# Altium PCB Sayma_AMC_RFSoC.PcbDoc (part 7 of 11)
Units mm, origin at the board's own origin, x right, y up, seen from the top; angles counter-clockwise.
Board outline 180.55 x 148.45 mm, 18 copper layers (Layer 1, Layer 2, Layer 3, Layer 4, Layer 5, Layer 6, Layer 7, Layer 8, Layer 9, Layer 10, Layer 11, Layer 12, Layer 13, Layer 14, Layer 15, Layer 16, Layer 17, Layer 18), stack 4.915 mm thick; 790 components, 796 nets, 6854 pads, 16 vias.
Unrouted connection lines stored in the file: 2880.
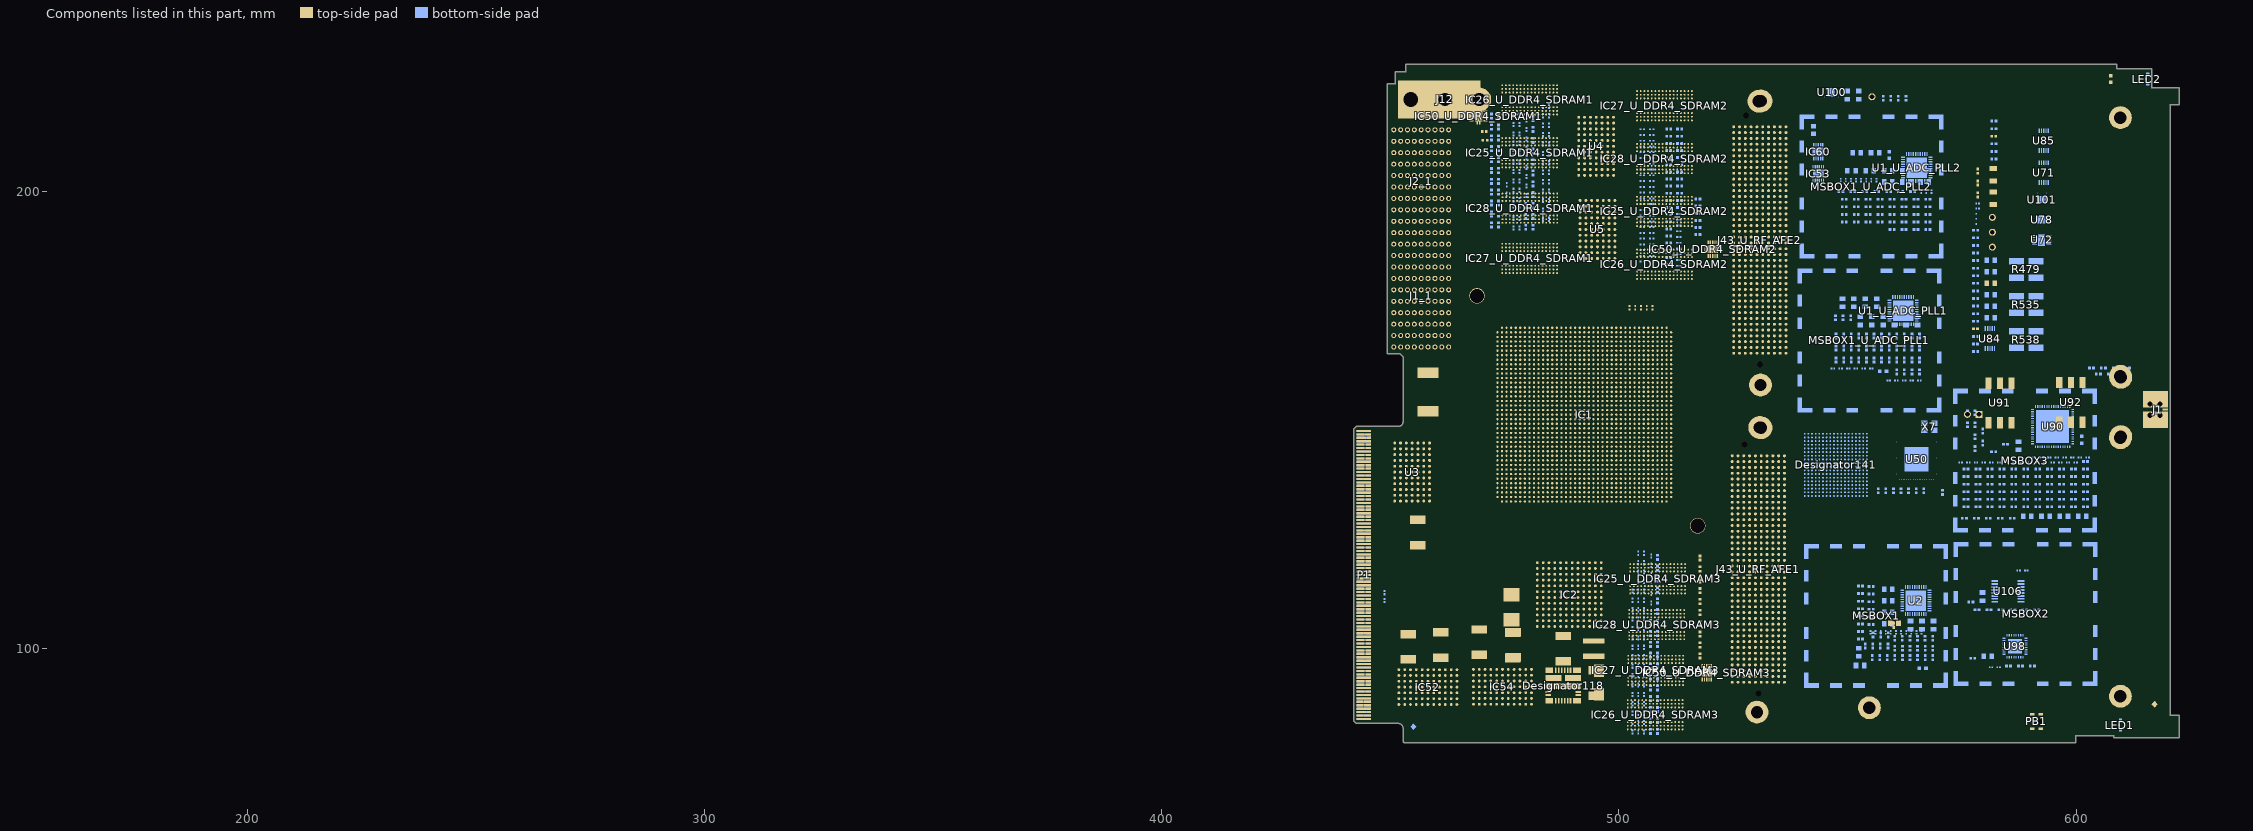
[diagram p18: the components of this part, seen from the top]

## Polygon pours and split planes (outlines as drawn) (continued)
no net on Layer 18 "Layer 10-P6V0_LDO_IN2" (solid, shelved, pour order 116): 462.168,96.617 462.168,99.017 459.068,99.017 459.068,103.617 463.968,103.717 463.968,96.617
no net on Layer 18 "Layer 10-IOVDD" (solid, shelved, pour order 115): 213.1,99.18 221.85,99.18 221.85,102.23 213.1,102.23
P12V0A on Layer 18 "Layer 10-P12V0A 1" (solid, shelved, pour order 114): 509.035,114.755 507.285,114.755 507.285,115.255 501.535,115.255 501.535,119.755 505.285,119.755 505.285,117.505 509.035,117.505
no net on Layer 18 "Layer 10-VTT_10" (solid, shelved, pour order 113): 576.598,108.964 576.598,112.214 577.598,112.214 577.848,112.464 577.848,120.964 576.598,120.964 576.598,122.964 579.598,122.964 579.598,118.964 578.598,118.964 578.598,112.964 579.848,112.964 579.848,108.964
no net on Layer 18 "Layer 10-VTT" (solid, shelved, pour order 112): 206.85,123.43 206.85,120.18 205.85,120.18 205.6,119.93 205.6,111.43 206.85,111.43 206.85,109.43 203.85,109.43 203.85,113.43 204.85,113.43 204.85,119.43 203.6,119.43 203.6,123.43
no net on Layer 18 "Layer 10-XR77129ILB_F_VOUT1" (solid, shelved, pour order 109): 279.1,216.68 279.1,219.93 282.1,219.93 282.1,218.93 289.1,218.93 289.1,216.68
no net on Layer 18 "Layer 10-P4V0 8" (solid, shelved, pour order 107): 556.398,210.303 561.398,210.303 561.398,203.553 560.148,203.553 560.148,206.553 555.648,206.553 555.648,209.553
no net on Layer 18 "Layer 10-PSS_XRP_LX2" (solid, shelved, pour order 106): 509.085,105.955 509.19,111.355 513.085,111.355 513.085,105.155 509.085,105.255
no net on Layer 18 "Layer 10-P12V0AFEM_7" (solid, shelved, pour order 103): 268.6,169.18 268.6,164.68 258.1,164.68 258.1,165.93 265.35,165.93 265.35,169.18
N6V0A on Layer 18 "Layer 10-N6V0A 1" (solid, shelved, pour order 102): 314.35,141.18 319.6,141.18 319.6,145.68 314.35,145.68
no net on Layer 18 "Layer 10-ADC_DVDD" (solid, shelved, pour order 101): 232.3,86.63 235.3,86.63 235.3,88.13 239.3,88.13 239.3,84.88 236.05,84.88 236.05,83.63 232.3,83.63
no net on Layer 18 "Layer 10-CVDD12_10" (solid, shelved, pour order 100): 191.6,206.18 191.6,206.93 194.85,206.93 194.85,202.93 188.6,202.93 188.6,206.18
P3V3 on Layer 18 "Layer 10-P3V3 1" (solid, shelved, pour order 99): 265.1,146.68 265.1,145.43 267.85,145.43 267.85,148.68 258.35,148.68 258.35,146.68
QSPI2_DQ3 on Layer 18 "Layer 10-GND 4" (solid, shelved, pour order 96): 548.737,194.184 551.987,194.184 551.987,200.934 548.737,200.934
no net on Layer 18 "Layer 10-CVDD12" (solid, shelved, pour order 95): 200.01,112.476 205.51,112.476 205.51,107.726 203.01,107.726 203.01,109.226 200.01,109.226
P3V3MP on Layer 18 "Layer 10-P3V3MP 3" (solid, shelved, pour order 93): 548.025,173.607 550.525,173.607 550.525,164.357 551.025,164.357 551.025,163.107 546.525,163.107 546.525,164.357 549.525,164.357 549.525,169.357 548.025,169.357
no net on Layer 18 "Layer 10-P3V3_CLKDIS5_1" (solid, shelved, pour order 91): 566.275,177.607 566.275,174.857 561.025,174.857 561.025,175.857 558.025,175.857 558.025,178.107 561.025,178.107 561.025,177.607
P12V0 on Layer 18 "Layer 10-P12V0 1" (solid, shelved, pour order 88): 508.285,103.505 508.285,107.005 502.285,107.005 502.285,103.505
no net on Layer 18 "Layer 10-XR77129ILB_F_VOUT3" (solid, shelved, pour order 87): 297.6,201.68 297.6,197.43 299.6,197.43 299.6,195.18 295.1,195.18 295.1,201.68
no net on Layer 18 "Layer 10-P4V0 9" (solid, shelved, pour order 86): 553.898,202.303 553.898,205.553 549.648,205.553 549.648,208.553 555.148,208.553 555.148,202.303
no net on Layer 18 "Layer 10-P4V0_LDO_IN6" (solid, shelved, pour order 85): 288.35,139.68 289.6,139.68 289.6,141.43 293.1,141.43 293.1,135.43 290.35,135.43 290.35,138.43 288.35,138.43
QSPI2_DQ3 on Layer 18 "Layer 10-GND 5" (solid, shelved, pour order 84): 550.237,208.184 552.237,208.184 553.487,206.934 553.487,201.434 550.487,201.434 550.487,204.934 550.237,204.934
no net on Layer 18 "Layer 10-N6V0AFEM" (solid, shelved, pour order 83): 270.85,138.18 270.85,133.43 270.6,133.18 265.6,133.18 265.6,133.93 266.35,133.93 266.35,135.43 267.35,135.43 267.35,138.18
no net on Layer 18 "Layer 10-N6V0AFEM_2" (solid, shelved, pour order 82): 270.6,105.18 270.6,100.43 270.35,100.18 265.35,100.18 265.35,100.93 266.1,100.93 266.1,102.43 267.1,102.43 267.1,105.18
no net on Layer 18 "Layer 10-N6V0AFEM_6" (solid, shelved, pour order 81): 513.842,81.293 513.842,84.505 507.535,84.505 507.535,81.293
QSPI2_DQ3 on Layer 18 "Layer 10-GND 6" (solid, shelved, pour order 78): 282.35,219.18 289.1,219.18 289.1,216.93 291.1,216.93 291.1,220.93 282.35,220.93
P12V0A on Layer 18 "Layer 10-P12V0A 2" (solid, shelved, pour order 77): 302.1,161.18 307.35,161.18 307.35,164.93 302.1,164.93
P12V0 on Layer 18 "Layer 10-P12V0 2" (solid, shelved, pour order 76): 288.35,200.93 289.85,200.93 289.85,197.43 294.1,197.43 294.1,194.93 288.35,194.93
no net on Layer 18 "Layer 10-P5V0_CLK" (solid, shelved, pour order 75): 457.468,98.717 457.468,93.717 461.368,93.717 461.368,98.717
no net on Layer 18 "Layer 10-ADC_1V8_LDO2_11" (solid, shelved, pour order 74): 550.769,164.666 550.769,168.666 558.019,168.666 558.019,166.416 552.519,166.416 552.519,164.666
no net on Layer 18 "Layer 10-N12V0AFEM" (solid, shelved, pour order 73): 265.6,131.68 267.85,129.18 267.85,128.18 270.85,128.18 270.85,132.93 267.1,132.93 266.1,132.18 265.6,132.18
no net on Layer 18 "Layer 10-N12V0AFEM_2" (solid, shelved, pour order 72): 265.35,98.68 267.6,96.18 267.6,95.18 270.6,95.18 270.6,99.93 266.85,99.93 265.85,99.18 265.35,99.18
no net on Layer 18 "Layer 10-AVDD33" (solid, shelved, pour order 67): 196.6,135.18 196.6,137.18 199.6,137.18 199.6,133.68 196.35,133.68 196.35,132.93 193.1,132.93 193.1,135.18
no net on Layer 18 "Layer 10-DAC_3V3_LDO" (solid, shelved, pour order 66): 592.598,96.964 591.098,98.464 588.598,98.464 588.598,98.214 586.598,98.214 586.598,99.964 595.098,99.964 595.098,96.964
no net on Layer 18 "Layer 10-P3V3_CLKDIS5_2" (solid, shelved, pour order 65): 569.147,100.651 569.147,98.651 563.897,98.651 563.897,97.901 561.147,97.901 561.147,100.651
no net on Layer 18 "Layer 10-P12V0ACLKM" (solid, shelved, pour order 62): 302.85,144.43 302.85,143.68 302.1,143.43 302.1,142.93 302.6,142.93 302.6,138.43 299.6,138.43 299.6,143.43 300.85,144.43
no net on Layer 18 "Layer 10-N6V0ACLKM" (solid, shelved, pour order 61): 308.971,148.93 312.1,148.93 312.1,154.43 308.971,154.43
no net on Layer 18 "Layer 10-P12V0AFEM_6" (solid, shelved, pour order 60): 267.35,198.93 267.35,197.43 259.85,197.43 259.85,196.43 257.6,196.43 257.6,198.93
no net on Layer 18 "Layer 10-P7V0_URFB" (solid, shelved, pour order 59): 314.6,147.554 317.85,147.554 317.85,152.68 314.6,152.68
no net on Layer 18 "Layer 10-SVDD_12" (solid, shelved, pour order 58): 555.398,199.803 557.898,199.803 557.898,198.803 559.648,198.803 559.648,195.553 555.398,195.553
no net on Layer 18 "Layer 10-ADC_1V8_LDO2" (solid, shelved, pour order 47): 558.898,205.053 558.898,201.803 557.148,201.803 557.148,200.053 555.398,200.053 555.398,205.053
no net on Layer 18 "Layer 10-1.8V_DRVDD" (solid, shelved, pour order 46): 228.2,96.03 225.1,96.03 225.1,97.13 224.3,97.13 224.3,99.73 228.2,99.73
no net on Layer 18 "Layer 10-N12V0ACLKM" (solid, shelved, pour order 44): 309.1,148.68 312.1,148.68 312.1,144.43 309.35,144.43 308.6,143.68 308.6,144.43 309.1,145.097
no net on Layer 18 "Layer 10-P3V3_CLKDIS6" (solid, shelved, pour order 42): 510.861,216.982 513.861,216.982 513.861,221.232 510.861,221.232
P1V2 on Layer 18 "Layer 10-P1V2" (solid, shelved, pour order 40): 285.6,183.93 289.4,183.93 289.4,187.23 285.6,187.23
no net on Layer 18 "Layer 10-P6V0ACLKM" (solid, shelved, pour order 39): 302.85,148.68 299.85,148.68 299.85,143.93 300.6,143.93 301.6,144.93 302.85,144.93
QSPI2_DQ3 on Layer 18 "Layer 10-GND 7" (solid, shelved, pour order 38): 508.035,96.255 508.035,99.005 503.535,99.005 503.535,96.255
no net on Layer 18 "Layer 10-1.8V_DRVDD_12" (solid, shelved, pour order 35): 549.648,200.303 552.898,200.303 552.898,203.803 549.648,203.803
no net on Layer 18 "Layer 10-N6V0_Buck" (solid, shelved, pour order 33): 320.1,136.68 322.6,136.68 322.6,141.18 320.1,141.18
no net on Layer 18 "Layer 10-1.8V_AVDD_12" (solid, shelved, pour order 32): 561.648,195.303 563.148,195.303 563.148,196.053 566.398,196.053 566.398,193.553 561.648,193.553
no net on Layer 18 "Layer 10-P3V3_CLKDIS4" (solid, shelved, pour order 31): 290.1,143.68 293.35,143.68 293.35,146.93 290.1,146.93
no net on Layer 18 "Layer 10-DAC_3V3_LDO_9" (solid, shelved, pour order 30): 211.51,107.726 211.51,110.976 208.26,110.976 208.26,107.726
N6V0A on Layer 18 "Layer 10-N6V0A 2" (solid, shelved, pour order 26): 312.1,148.93 314.6,148.93 314.6,152.68 312.1,152.68
no net on Layer 18 "Layer 10-1.8V_DRVDD 1" (solid, shelved, pour order 24): 568.57,157.782 568.57,153.032 567.57,153.032 567.57,153.782 566.57,153.782 566.57,157.782
no net on Layer 18 "Layer 10-DAC_3V3_LDO 1" (solid, shelved, pour order 23): 593.848,115.214 589.598,115.214 589.598,113.214 593.848,113.214
QSPI2_DQ3 on Layer 18 "Layer 10-GND 8" (solid, shelved, pour order 22): 289.85,201.43 294.1,201.43 294.1,202.93 292.6,202.93 292.6,203.68 289.85,203.68
no net on Layer 18 "Layer 10-N12V0AFEM_7" (solid, shelved, pour order 21): 265.6,156.952 269.379,156.952 269.379,159.18 265.6,159.18
P12V0A on Layer 18 "Layer 10-P12V0A 3" (solid, shelved, pour order 20): 507.275,221.111 510.025,221.111 510.025,224.111 507.275,224.111
no net on Layer 18 "Layer 10-1.8V_DVDD_12" (solid, shelved, pour order 19): 557.398,201.803 560.648,201.803 560.648,199.053 558.148,199.053 558.148,200.303 557.398,200.303
no net on Layer 18 "Layer 10-VCC2_OUT" (solid, shelved, pour order 17): 562.525,170.257 564.025,170.257 564.025,168.957 564.425,168.957 564.425,165.757 563.625,165.757 563.625,166.957 563.025,166.957 563.025,167.957 561.525,167.957 561.525,169.457 562.525,169.457
no net on Layer 18 "Layer 10-P4V0 10" (solid, shelved, pour order 16): 505.775,179.361 508.525,179.361 508.525,182.111 505.775,182.111
no net on Layer 18 "Layer 10-ADC_1V8_LDO_12" (solid, shelved, pour order 15): 562.398,197.803 562.398,196.803 563.148,196.803 563.148,195.053 560.148,195.053 560.148,197.803
no net on Layer 18 "Layer 10-ADC_1V8_LDO" (solid, shelved, pour order 14): 564.615,133.525 566.915,133.525 566.915,136.625 564.615,136.625
no net on Layer 18 "Layer 10-N6V0AFEM_7" (solid, shelved, pour order 13): 266.622,159.406 269.35,159.406 269.35,161.68 266.622,161.68
QSPI2_DQ3 on Layer 18 "Layer 10-GND 9" (solid, shelved, pour order 10): 507.485,106.755 507.485,110.055 508.985,110.055 508.985,106.355 507.485,106.355
no net on Layer 18 "Layer 10-DAC_3V3_LDO_9 1" (solid, shelved, pour order 5): 190.1,117.18 194.1,117.18 194.1,118.43 190.1,118.43
QSPI2_DQ3 on Layer 18 "Layer 10-GND 10" (solid, shelved, pour order 4): 559.925,168.457 561.425,168.457 561.425,171.257 559.925,171.257
no net on Layer 18 "Layer 10-P1V8F 1" (solid, shelved, pour order 0): 281.35,159.93 282.6,159.93 282.6,161.18 281.35,161.18
no net on Layer 18 "Layer 10-PSS_XRP_LX4" (solid, shelved, pour order 92): 282.35,193.977 286.1,193.977 286.1,199.637 282.35,199.637
no net on Layer 18 "Layer 10-PSS_XRP_LX3" (solid, shelved, pour order 89): 289.85,197.43 295.1,197.43 295.1,201.43 289.85,201.43
no net on Layer 18 "Layer 10-PSS_XRP_LX1" (solid, shelved, pour order 111): 508.785,98.755 508.785,103.255 503.035,103.255 503.035,98.755
no net on Layer 18 "Layer 10-ESDSTRIP2" (solid, shelved, pour order 54): 311.379,72.894 321.629,72.894 321.629,74.394 311.379,74.394
no net on Layer 18 "Layer 10-ESDSTRIP1" (solid, shelved, pour order 55): 311.379,72.894 321.629,72.894 321.629,74.394 311.379,74.394
no net on Layer 18 "Layer 10-ESDSTRIP1 1" (solid, shelved, pour order 118): 292.518,72.894 310.879,72.894 310.879,74.394 292.518,74.394
P12V0 on Layer 18 "Layer 10-P12V0 3" (solid, shelved, pour order 12): 513.485,109.955 515.085,109.955 514.985,105.955 513.485,105.955
P12V0 on Layer 18 "Layer 10-P12V0 4" (solid, shelved, pour order 18): 280.6,194.93 282.6,194.93 282.6,198.93 280.6,198.93
QSPI2_DQ3 on Layer 18 "Layer 10-GND 11" (solid, shelved, pour order 11): 286.35,195.18 288.1,195.18 288.1,198.68 286.35,198.68
QSPI2_DQ3 on Layer 18 "Layer 10-GND 12" (solid, shelved, pour order 225): 184.179,72.881 292.14,72.881 292.14,74.381 184.179,74.381
QSPI2_DQ3 on Layer 1 "Layer 1-GND 3" (solid, shelved, pour order 245): 21 vertices, not listed, extent 163.501,72.579 346,221.081
no net on Layer 1 "Layer 1-P6V0_Buck" (solid, shelved, pour order 215): 297.1,170.43 302.1,170.43 302.1,161.18 307.35,161.18 307.35,164.68 310.1,164.68 310.1,170.43 313.85,170.43 313.85,159.43 294.6,159.43 294.6,165.18 297.1,165.18
P12V0 on Layer 1 "Layer 1-P12V0" (solid, shelved, pour order 214): 331.6,201.18 331.6,183.43 324.85,183.43 324.85,186.43 323.6,186.43 323.6,189.93 324.85,189.93 324.85,197.43 323.6,197.43 323.6,201.18
no net on Layer 1 "Layer 1-N6V0_Buck" (solid, shelved, pour order 172): 324.35,176.68 324.35,173.68 326.85,173.68 326.85,171.43 324.35,171.43 324.35,168.18 331.85,168.18 331.85,173.43 327.6,173.43 327.6,176.68
QSPI2_DQ3 on Layer 1 "Layer 1-GND 4" (solid, shelved, pour order 230): 29 vertices, not listed, extent 308.35,183.43 326.6,203.68
QSPI2_DQ3 on Layer 1 "Layer 1-GND 5" (solid, shelved, pour order 229): 33 vertices, not listed, extent 317.85,161.18 331.6,183.18
QSPI2_DQ3 on Layer 1 "Layer 1-GND 6" (solid, shelved, pour order 227): 20 vertices, not listed, extent 295.55,161.43 317.6,176.93
QSPI2_DQ3 on Layer 1 "Layer 1-GND 7" (solid, shelved, pour order 224): 35 vertices, not listed, extent 307.1,202.68 324.85,219.68
N12V0A on Layer 1 "Layer 1-N12V0A" (solid, shelved, pour order 223): 306.35,159.18 306.35,154.93 270.1,154.68 270.1,159.18
P12V0A on Layer 1 "Layer 1-P12V0A" (solid, shelved, pour order 218): 271.35,154.439 306.6,154.68 306.6,159.18 310.35,159.18 310.35,151.93 308.85,151.93 308.85,149.93 296.85,149.93 294.35,151.93 271.35,151.93
P12V0 on Layer 1 "Layer 1-P12V0 1" (solid, shelved, pour order 208): 31 vertices, not listed, extent 295.6,174.93 317.1,183.68
no net on Layer 1 "Layer 1-P4V0_Buck" (solid, shelved, pour order 200): 318.35,189.68 318.35,183.43 304.85,183.43 304.85,192.93 312.1,192.93 312.1,190.93 308.1,190.93 308.1,185.93 313.1,185.93 313.1,189.68
no net on Layer 1 "Layer 1-P2V0_Buck" (solid, shelved, pour order 196): 318.1,202.43 318.1,197.68 312.6,197.68 312.6,200.18 308.6,200.18 308.6,195.68 312.1,195.68 312.1,193.18 307.35,193.18 307.35,194.68 304.85,194.68 304.85,202.43
P1V2 on Layer 1 "Layer 1-P1V2" (solid, shelved, pour order 191): 274.316,188.83 284.8,188.83 284.8,186.53 288.9,186.43 288.9,183.63 274.35,183.68
P6V0A on Layer 1 "Layer 1-P6V0A" (solid, shelved, pour order 188): 310.6,150.68 317.1,150.68 317.1,159.93 310.6,159.93
N6V0A on Layer 1 "Layer 1-N6V0A" (solid, shelved, pour order 186): 312.85,141.43 312.85,150.43 316.35,150.43 316.35,149.18 319.85,149.18 319.85,141.43
no net on Layer 1 "Layer 1-P3V3F" (solid, shelved, pour order 185): 285,189.43 285,190.73 290.2,190.73 290.2,193.83 296.8,193.83 296.8,195.03 302.4,195.03 302.4,192.53 298.4,192.45 298.4,191.43 292.6,191.434 292.6,187.43 285,187.43
P12V0 on Layer 1 "Layer 1-P12V0 2" (solid, shelved, pour order 184): 318.1,216.93 326.6,216.93 326.6,203.93 322.1,203.93 322.1,202.18 318.35,202.18 318.35,203.93 320.85,203.93 320.85,207.68 325.1,207.68 325.1,214.43 321.85,214.43 321.85,215.43 318.1,215.43
no net on Layer 1 "Layer 1-N12V0_Buck" (solid, shelved, pour order 179): 472.535,111.196 476.035,111.196 476.035,109.446 481.535,109.446 481.535,109.946 484.535,109.946 484.535,106.196 481.285,106.196 481.285,105.696 472.535,105.696
P3V3 on Layer 1 "Layer 1-P3V3" (solid, shelved, pour order 164): 270.85,194.18 272.1,192.93 272.1,190.43 273.85,190.43 273.85,187.93 274.85,187.93 274.85,186.93 271.35,186.93 270.6,187.68 270.6,188.43 270.35,188.68 267.85,188.68 265.35,191.18 265.35,194.18
no net on Layer 1 "Layer 1-P12V0_Buck" (solid, shelved, pour order 162): 472.785,118.196 476.535,118.196 476.55,116.196 481.535,116.196 481.535,117.946 484.285,117.946 484.285,115.096 481.135,115.096 481.135,113.146 472.785,113.146
no net on Layer 1 "Layer 1-XR77129ILB_F_VOUT2" (solid, shelved, pour order 156): 515.035,110.255 515.035,114.255 505.285,114.255 505.285,110.255
no net on Layer 1 "Layer 1-N6V0" (solid, shelved, pour order 155): 308.85,136.68 308.85,138.68 312.6,138.68 312.6,140.93 319.85,140.93 319.85,136.562
no net on Layer 1 "Layer 1-P4V0" (solid, shelved, pour order 149): 298.85,184.43 303.6,184.43 303.6,192.43 298.85,192.43
P12V0A on Layer 1 "Layer 1-P12V0A 1" (solid, shelved, pour order 143): 509.035,115.255 509.035,119.755 501.035,119.755 501.035,115.255
no net on Layer 1 "Layer 1-N6V0AFEM_6" (solid, shelved, pour order 136): 264.85,199.18 266.475,199.18 267.35,200.93 267.35,204.18 268.35,204.513 268.35,211.93 265.1,211.93 265.1,204.68 265.85,204.305 265.85,201.18 264.85,201.18
no net on Layer 1 "Layer 1-P3V3F 1" (solid, shelved, pour order 134): 270.1,188.43 270.6,188.18 270.6,187.43 271.35,186.68 272.35,186.68 272.35,183.43 265.1,183.43 265.1,188.43
no net on Layer 1 "Layer 1-P6V0" (solid, shelved, pour order 131): 318.1,149.481 322.641,149.481 322.641,156.68 318.1,156.68
no net on Layer 1 "Layer 1-P2V0 1" (solid, shelved, pour order 130): 299.6,195.23 304.1,195.23 304.1,202.43 299.6,202.43
N12V0A on Layer 1 "Layer 1-N12V0A 1" (solid, shelved, pour order 128): 298.35,203.18 302.6,203.18 302.6,210.43 298.35,210.43
P12V0 on Layer 1 "Layer 1-P12V0 3" (solid, shelved, pour order 123): 504.535,108.505 510.035,108.505 510.035,102.755 508.035,102.755 508.035,103.505 504.535,103.505
P12V0 on Layer 1 "Layer 1-P12V0 4" (solid, shelved, pour order 110): 317.1,166.93 321.35,166.93 321.35,163.93 319.6,163.93 319.6,161.18 314.1,161.18 314.1,163.18 317.1,163.18
P12V0 on Layer 1 "Layer 1-P12V0 5" (solid, shelved, pour order 105): 287.6,200.93 289.6,200.93 289.6,197.18 294.1,197.18 294.1,193.93 292.1,193.93 292.1,194.93 287.6,194.93
no net on Layer 1 "Layer 1-PSS_XRP_LX1" (solid, shelved, pour order 104): 508.285,98.755 508.285,103.755 503.535,103.755 503.535,98.755
no net on Layer 1 "Layer 1-N12V0AFEM_7" (solid, shelved, pour order 98): 264.85,165.93 266.35,165.03 266.35,159.18 269.35,159.18 269.35,155.43 264.85,155.43 264.85,157.18 265.35,157.18 265.35,164.93 264.85,165.43
no net on Layer 1 "Layer 1-PSS_XRP_LX3" (solid, shelved, pour order 80): 289.85,197.43 294.85,197.43 294.85,201.43 289.85,201.43
no net on Layer 1 "Layer 1-PSS_XRP_LX4" (solid, shelved, pour order 79): 282.35,194.18 286.35,194.18 286.35,199.18 282.35,199.18
no net on Layer 1 "Layer 1-PSS_XRP_LX2" (solid, shelved, pour order 71): 514.035,105.755 514.035,110.005 509.535,110.005 509.535,105.755
no net on Layer 1 "Layer 1-XR77129ILB_F_VOUT3" (solid, shelved, pour order 70): 295.1,201.68 297.6,201.68 297.6,197.43 299.1,197.43 299.1,195.18 296.1,195.18 296.1,195.93 295.1,195.93
no net on Layer 1 "Layer 1-N12V0AFEM_6" (solid, shelved, pour order 68): 270.6,197.18 270.6,194.68 267.6,194.68 267.6,196.18 265.85,196.18 265.85,197.93 265.1,197.93 265.1,198.93 270.6,198.93
no net on Layer 1 "Layer 1-XR77129ILB_F_VOUT1" (solid, shelved, pour order 64): 503.285,98.255 503.285,105.255 500.785,105.255 500.785,98.255
no net on Layer 1 "Layer 1-XR77129ILB_F_VOUT4" (solid, shelved, pour order 63): 281.9,190.93 287.5,190.93 287.5,194.03 281.9,194.03
P12V0 on Layer 1 "Layer 1-P12V0 6" (solid, shelved, pour order 56): 282.1,199.93 282.1,194.43 278.35,194.43 278.35,196.43 279.85,196.43 279.85,199.93
no net on Layer 1 "Layer 1-N6V0ACLKM" (solid, shelved, pour order 52): 309.1,151.93 312.1,151.93 312.1,148.43 311.6,148.43 311.6,146.18 310.1,146.18 309.1,145.68 309.1,146.18 309.85,146.68 309.85,148.43 309.1,148.43
no net on Layer 1 "Layer 1-N6V0AFEM_7" (solid, shelved, pour order 51): 265.225,167.805 268.35,164.68 268.35,161.68 269.35,161.68 269.35,159.43 266.6,159.43 266.6,165.18 264.754,167.334
QSPI2_DQ3 on Layer 1 "Layer 1-GND 8" (solid, shelved, pour order 48): 314.1,180.18 314.1,181.18 311.35,181.18 311.35,183.18 317.1,183.18 317.1,180.18
P12V0 on Layer 1 "Layer 1-P12V0 7" (solid, shelved, pour order 43): 317.85,183.18 317.85,178.18 321.6,178.18 321.6,179.93 319.85,179.93 319.85,183.18
P12V0 on Layer 1 "Layer 1-P12V0 8" (solid, shelved, pour order 34): 288.35,205.43 293.85,205.43 293.85,202.43 291.85,202.43 291.85,203.93 288.35,203.93
no net on Layer 1 "Layer 1-N12V0AFEM_6 1" (solid, shelved, pour order 29): 267.353,194.68 270.85,194.68 270.85,197.696 267.353,197.696
P1V8 on Layer 1 "Layer 1-P1V8" (solid, shelved, pour order 27): 216.4,102.03 219.9,102.03 219.9,104.83 216.4,104.83
QSPI2_DQ3 on Layer 1 "Layer 1-GND 9" (solid, shelved, pour order 9): 301.6,180.93 303.6,180.93 303.6,183.68 301.6,183.68
QSPI2_DQ3 on Layer 1 "Layer 1-GND 10" (solid, shelved, pour order 8): 314.1,163.43 316.85,163.43 316.85,165.43 314.1,165.43
no net on Layer 1 "Layer 1-N12V0ACLKM" (solid, shelved, pour order 1): 309.1,145.43 309.85,145.68 311.6,145.93 311.6,144.43 309.35,144.43 308.6,143.68 308.6,144.43 309.1,145.18
no net on Layer 1 "Layer 1-DAC_3V3_LDO_9" (solid, shelved, pour order 189): 193.6,135.68 193.6,127.93 192.35,127.93 192.35,119.18 194.1,119.18 194.1,116.93 189.85,116.93 189.85,135.68
no net on Layer 1 "Layer 1-DAC_3V3_LDO" (solid, shelved, pour order 190): 613.378,121.179 609.878,121.179 609.878,102.429 613.378,102.429
no net on Layer 1 "Layer 1-ESDSTRIP2" (solid, shelved, pour order 53): 311.379,72.894 321.629,72.894 321.629,74.394 311.379,74.394
no net on Layer 1 "Layer 1-ESDSTRIP1" (solid, shelved, pour order 119): 292.518,72.894 310.879,72.894 310.879,74.394 292.518,74.394
no net on Layer 1 "Layer 1-P3V3FEM_6" (solid, shelved, pour order 57): 249.506,196.6 249.506,190.1 246.756,190.1 246.756,187.1 250.256,187.1 250.256,195.6 250.756,196.1 250.756,196.6
no net on Layer 1 "Layer 1-N12V0AFEM_2" (solid, shelved, pour order 3): 265.35,99.18 265.35,98.68 266.35,97.68 267.6,97.68 267.6,99.93 266.85,99.93 265.85,99.18
no net on Layer 1 "Layer 1-N12V0AFEM" (solid, shelved, pour order 2): 265.6,132.18 265.6,131.68 266.6,130.68 267.85,130.68 267.85,132.93 267.1,132.93 266.1,132.18
no net on Layer 1 "Layer 1-N6V0AFEM_2" (solid, shelved, pour order 6): 265.35,100.93 265.35,100.18 268.1,100.18 268.1,102.43 266.1,102.43 266.1,100.93
no net on Layer 1 "Layer 1-N6V0AFEM_2 1" (solid, shelved, pour order 7): 265.6,133.93 265.6,133.18 268.35,133.18 268.35,135.43 266.35,135.43 266.35,133.93
no net on Layer 1 "Layer 1-P12V0ACLKM" (solid, shelved, pour order 37): 300.85,144.43 302.85,144.43 302.85,143.93 302.1,143.43 302.1,139.68 299.6,139.68 299.6,143.43
no net on Layer 1 "Layer 1-P3V3CLKM" (solid, shelved, pour order 25): 308.35,142.68 311.1,142.68 311.1,139.18 308.6,139.18 308.6,141.68 308.35,141.68
no net on Layer 1 "Layer 1-P6V0ACLKM" (solid, shelved, pour order 41): 299.85,148.68 302.85,148.68 302.85,144.93 301.6,144.93 300.85,143.93 299.85,143.93
P3V3MP on Layer 1 "Layer 1-P3V3MP" (solid, shelved, pour order 28): 238.006,207.6 240.506,210.1 240.506,212.35 239.506,212.35 239.506,210.6 237.006,208.1 237.006,203.35 238.006,203.35
QSPI2_DQ3 on Layer 1 "Layer 1-GND 11" (solid, shelved, pour order 226): 184.179,72.881 292.14,72.881 292.14,74.381 184.179,74.381
P12V0 on Layer 7 "Layer 7-P12V0" (solid, shelved, pour order 232): 332.35,158.18 345.85,158.18 345.85,175.43 332.35,175.43
no net on Layer 7 "Layer 7-N6V0_Buck" (solid, shelved, pour order 228): 319.35,137.18 322.6,137.18 322.6,157.93 331.6,157.93 331.6,168.18 331.85,168.18 331.85,173.43 327.1,173.43 327.1,162.43 319.35,162.43
P3V3MP on Layer 7 "Layer 7-P3V3MP" (solid, shelved, pour order 97): 328.35,189.68 329.6,189.68 329.6,184.43 332.35,181.68 332.35,162.93 331.6,162.93 331.6,168.43 331.85,168.43 331.85,173.93 331.6,173.93 331.6,181.43 328.35,184.68
P12V0 on Layer 7 "Layer 7-P12V0 1" (solid, shelved, pour order 240): 18 vertices, not listed, extent 287.35,191.18 326.85,220.68
no net on Layer 7 "Layer 7-P3V3CLKM" (solid, shelved, pour order 236): 313.35,82.93 304.1,82.93 304.1,134.43 307.35,134.43 307.35,142.93 315.35,142.93 315.35,122.93 309.35,122.93 309.35,87.18 314.35,87.18 314.35,82.93 313.1,82.93
P3V3MP on Layer 7 "Layer 7-P3V3MP 1" (solid, shelved, pour order 220): 243.1,73.68 261.35,73.68 261.35,82.18 243.1,82.18
P3V3MP on Layer 7 "Layer 7-P3V3MP 2" (solid, shelved, pour order 50): 589.761,197.688 589.761,209.938 588.761,210.938 588.761,211.438 590.761,211.438 590.761,197.688
P3V3MP on Layer 7 "Layer 7-P3V3MP 3" (solid, shelved, pour order 108): 19 vertices, not listed, extent 249.6,201.18 277.35,206.68
P1V8 on Layer 7 "Layer 7-P1V8" (solid, shelved, pour order 211): 189.8,211.83 207.4,211.93 207.4,204.93 189.2,205.03 189.2,211.83
P1V8 on Layer 7 "Layer 7-P1V8 1" (solid, shelved, pour order 202): 219.9,101.93 191.3,101.93 191.3,105.339 219.9,105.23
P12V0A on Layer 7 "Layer 7-P12V0A" (solid, shelved, pour order 233): 306.6,183.68 315.6,183.68 315.6,151.18 306.331,151.18
P12V0 on Layer 7 "Layer 7-P12V0 2" (solid, shelved, pour order 182): 278.1,195.18 278.1,194.18 280.6,194.18 280.6,194.68 283.1,194.68 285.1,196.68 285.1,200.93 286.85,200.93 286.85,199.43 288.35,199.43 288.35,203.43 280.6,203.43 280.6,200.93 280.35,200.93 280.35,197.43
no net on Layer 7 "Layer 7-P3V3F" (solid, shelved, pour order 222): 292.7,220.63 300.6,220.63 301.75,219.48 301.75,204.324 301.809,204.272 301.898,194.18 297.3,194.18 297.3,204.83 295.1,207.03 295.1,216.341 292.7,218.33
N12V0A on Layer 7 "Layer 7-N12V0A" (solid, shelved, pour order 221): 300.85,155.18 306.35,155.18 306.35,183.68 300.85,183.68
P3V3 on Layer 5 "Layer 5-P3V3" (solid, shelved, pour order 242): 274.6,185.68 274.6,193.18 255.35,193.18 255.35,85.93 260.85,85.93 260.85,185.68
P3V3MP on Layer 5 "Layer 5-P3V3MP" (solid, shelved, pour order 49): 217.85,91.68 217.85,90.18 216.85,89.18 216.85,80.68 215.6,80.68 215.6,90.18 217.1,91.68
P3V3MP on Layer 5 "Layer 5-P3V3MP 1" (solid, shelved, pour order 181): 19 vertices, not listed, extent 204.1,152.18 207.85,212.68
P3V3MP on Layer 5 "Layer 5-P3V3MP 2" (solid, shelved, pour order 205): 206.85,146.68 206.85,124.713 205.1,122.963 205.1,119.68 206.1,118.68 206.1,89.43 204.1,89.43 204.1,109.93 204.6,110.43 204.6,118.18 203.35,119.43 203.35,125.593 205.35,127.593 205.35,146.68
P1V8 on Layer 5 "Layer 5-P1V8" (solid, shelved, pour order 243): 189.1,101.93 196.1,101.93 196.1,211.53 189.1,211.53
N6V0A on Layer 5 "Layer 5-N6V0A" (solid, shelved, pour order 212): 31 vertices, not listed, extent 265.6,101.18 277.35,181.68
P12V0A on Layer 5 "Layer 5-P12V0A" (solid, shelved, pour order 209): 313.35,153.93 302.1,153.93 302.1,136.68 302.35,136.68 302.35,135.43 299.85,135.43 299.85,159.43 313.35,159.43
P12V0A on Layer 5 "Layer 5-P12V0A 1" (solid, shelved, pour order 241): 272.6,93.43 272.6,89.18 265.1,89.18 265.1,171.93 272.6,171.93
P12V0 on Layer 5 "Layer 5-P12V0" (solid, shelved, pour order 198): 289.85,197.18 288.6,197.18 287.35,195.93 285.6,195.93 283.35,193.68 277.85,193.68 277.85,201.68 289.85,201.68
no net on Layer 5 "Layer 5-P7V0_URFB" (solid, shelved, pour order 239): 308.6,153.68 319.85,153.68 319.85,136.68 308.35,136.68 308.35,123.18 314.1,123.18 314.1,110.18 302.35,110.18 302.35,153.68
no net on Layer 5 "Layer 5-P4V0" (solid, shelved, pour order 237): 182.6,132.18 188.85,132.18 188.85,203.43 182.6,203.43
no net on Layer 5 "Layer 5-P4V0 1" (solid, shelved, pour order 238): 300.85,92.43 300.85,95.93 300.861,112.919 298.83,114.95 299.099,151.68 291.25,151.68 291.1,98.43 291.1,92.43
no net on Layer 5 "Layer 5-P3V3F" (solid, shelved, pour order 90): 27 vertices, not listed, extent 281.4,176.83 288.6,181.23
no net on Layer 5 "Layer 5-P1V8F" (solid, shelved, pour order 69): 289.5,166.006 289.5,170.054 ccw(c289.424,170.054) 289.424,170.13 284.857,170.13 ccw(c284.857,170.054) 284.781,170.054 284.781,167.78 ccw(c284.857,167.78) 284.8,167.73 285.581,166.852 cw(c285.524,166.801) 285.6,166.801 285.6,166.262 ccw(c285.676,166.262) 285.622,166.208 285.878,165.952 ccw(c285.932,166.006) 285.932,165.93 289.424,165.93 ccw(c289.424,166.006)
N12V0A on Layer 5 "Layer 5-N12V0A" (solid, shelved, pour order 213): 27 vertices, not listed, extent 266.85,95.43 279.35,180.68
no net on Layer 3 "Layer 3-P3V3_CLKDIS5F" (solid, shelved, pour order 45): 467.61,180.545 467.61,181.795 473.11,181.795 474.11,182.795 474.11,186.295 475.36,186.295 475.36,182.795 473.11,180.545
P3V3MP on Layer 3 "Layer 3-P3V3MP" (solid, shelved, pour order 122): 215.6,80.68 244.1,80.68 244.1,81.68 215.6,81.68
P3V3MP on Layer 3 "Layer 3-P3V3MP 1" (solid, shelved, pour order 201): 21 vertices, not listed, extent 276.6,188.93 329.1,202.43
no net on Layer 3 "Layer 3-MGTAVCC" (solid, shelved, pour order 94): 277.599,176.43 279.691,176.43 279.691,186.63 277.599,186.63
no net on Layer 3 "Layer 3-P2V0" (solid, shelved, pour order 244): 182.635,92.321 193.954,92.321 193.954,214.558 182.635,214.558
QSPI2_DQ3 on Layer 2 (split plane): 290 vertices, not listed, extent 442.506,79.915 622.035,227.343
QSPI2_DQ3 on Layer 4 (split plane): 290 vertices, not listed, extent 442.506,79.915 622.035,227.343
QSPI2_DQ3 on Layer 6 (split plane): 290 vertices, not listed, extent 442.506,79.915 622.035,227.343
QSPI2_DQ3 on Layer 8 (split plane): 290 vertices, not listed, extent 442.506,79.915 622.035,227.343
no net on Layer 9 (split plane): 290 vertices, not listed, extent 442.506,79.915 622.035,227.343
no net on Layer 11 (split plane): 290 vertices, not listed, extent 442.506,79.915 622.035,227.343
no net on Layer 13 (split plane): 290 vertices, not listed, extent 442.506,79.915 622.035,227.343
no net on Layer 17 (split plane): 290 vertices, not listed, extent 442.506,79.915 622.035,227.343

## Other copper
Layer 2 (plane layer: these items are gaps in the copper):
  lines w0.254: 163.501,77.779 163.513,91.726 182.55,91.73 182.45,215.08 163.504,215.08 163.501,219.981 177.862,219.981 177.862,219.48 186.101,219.48 186.101,221.081 323,221.081 323,217.529 346,217.529 346,157.68 322.701,157.68 322.702,99.83 325.002,97.842 325.002,85.33 322.702,83.33 322.701,72.579 177.1,72.579 177.1,73.58 169.5,73.58 169.5,77.779 163.501,77.779 ; 284.951,174.306 286.033,174.307 286.025,185.532 284.953,185.536 284.951,185.468 284.951,174.306
Layer 4 (plane layer: these items are gaps in the copper):
  lines w0.254: 163.501,77.779 163.513,91.726 182.55,91.73 182.45,215.08 163.504,215.08 163.501,219.981 177.862,219.981 177.862,219.48 186.101,219.48 186.101,221.081 323,221.081 323,217.529 346,217.529 346,157.68 322.701,157.68 322.702,99.83 325.002,97.842 325.002,85.33 322.702,83.33 322.701,72.579 177.1,72.579 177.1,73.58 169.5,73.58 169.5,77.779 163.501,77.779
Layer 6 (plane layer: these items are gaps in the copper):
  lines w0.254: 163.501,77.779 163.513,91.726 182.55,91.73 182.45,215.08 163.504,215.08 163.501,219.981 177.862,219.981 177.862,219.48 186.101,219.48 186.101,221.081 323,221.081 323,217.529 346,217.529 346,157.68 322.701,157.68 322.702,99.83 325.002,97.842 325.002,85.33 322.702,83.33 322.701,72.579 177.1,72.579 177.1,73.58 169.5,73.58 169.5,77.779 163.501,77.779
Layer 8 (plane layer: these items are gaps in the copper):
  lines w0.254: 163.501,77.779 163.513,91.726 182.55,91.73 182.45,215.08 163.504,215.08 163.501,219.981 177.862,219.981 177.862,219.48 186.101,219.48 186.101,221.081 323,221.081 323,217.529 346,217.529 346,157.68 322.701,157.68 322.702,99.83 325.002,97.842 325.002,85.33 322.702,83.33 322.701,72.579 177.1,72.579 177.1,73.58 169.5,73.58 169.5,77.779 163.501,77.779
Layer 9 (plane layer: these items are gaps in the copper):
  lines w0.254: 186.3,88.98 182.55,88.98 182.55,218.73 187.05,218.73 187.05,220.98 282.3,220.98 282.349,200.68 287.85,200.68 287.85,197.93 289.85,197.93 289.85,202.43 304.35,202.43 304.35,194.68 278.1,194.68 278.1,200.68 274.85,200.68 274.85,217.43 272,217.43 232.8,217.48 232.8,211.48 ; 233.05,211.23 233.05,217.23 274.485,217.23 274.6,200.43 277.85,200.43 277.85,194.43 303.6,194.43 303.599,183.93 300.6,183.93 300.6,180.43 300.857,180.43 300.841,157.93 297.35,157.93 297.35,145.43 289.1,145.43 289.107,147.135 278.35,147.18 278.35,164.43 296.3,164.48 296.3,186.23 300.05,186.23 300.05,190.98 290.7,190.98 290.7,189.98 284.35,189.945 284.35,188.93 270.35,188.93 270.35,205.93 265.85,205.93 265.85,208.18 259.35,208.18 259.35,209.68 242.439,209.795 ; 238,86.23 258.75,86.23 258.75,150.73 238.75,150.73 ; 238.6,150.98 258.8,150.98 258.8,209.48 242.8,209.48 ; 163.501,77.779 163.513,91.726 182.55,91.73 182.45,215.08 163.504,215.08 163.501,219.981 177.862,219.981 177.862,219.48 186.101,219.48 186.101,221.081 323,221.081 323,217.529 346,217.529 346,157.68 322.701,157.68 322.702,99.83 325.002,97.842 325.002,85.33 322.702,83.33 322.701,72.579 177.1,72.579 177.1,73.58 169.5,73.58 169.5,77.779 163.501,77.779 ; 177.55,85.98 259,85.98 259,194.33 266.5,194.33 266.5,192.48 261.05,192.48 261.1,184.18 264.35,184.18 264.35,168.187 267.55,168.23 267.55,150.48 267.5,150.48 267.5,138.73 267.55,138.73 267.55,110.73 266.2,110.73 266.2,105.73 267.55,105.73 267.6,77.93 313.1,77.93 313.1,73.43 177.614,73.43 177.55,85.98 ; 259.05,194.53 266.75,194.53 266.75,192.18 261.296,192.18 261.4,186.53 264.739,183.33 264.9,183.33 264.85,168.68 267.85,168.68 267.8,150.23 267.75,150.23 267.75,138.98 267.8,138.98 267.8,110.48 266.45,110.48 266.45,105.98 267.8,105.98 267.8,78.23 290.05,78.23 290.05,88.73 276.307,88.73 276.35,110.43 287.1,110.43 287.1,131.43 292.35,131.43 292.35,134.18 294.6,136.93 303.1,136.93 303.1,139.18 310.1,139.18 310.1,141.93 315.35,141.93 315.35,151.93 322.527,151.93 322.495,157.757 308.35,157.683 308.35,157.68 297.6,157.68 297.6,145.43 289.1,145.293 289.1,140.68 285.6,136.68 277.909,136.695 277.909,164.48 273.347,164.48 273.347,185.18 269.6,185.18 269.6,189.23 270,189.23 270.102,205.68 265.6,205.68 265.6,207.93 259.099,207.93 259.05,194.53 ; 269.85,185.53 269.85,188.68 284.6,188.68 284.6,189.68 290.6,189.68 290.7,178.329 286.9,178.329 286.9,169.33 284.8,169.33 284.1,168.63 282.64,168.63 282.2,168.23 282.2,167.83 279.3,167.83 279.3,164.78 273.7,164.78 273.7,174.73 279,174.73 279,171.03 280.2,171.03 280.2,169.33 282.7,169.33 284.7,171.33 284.7,174.264 282.6,176.002 282.6,186.43 277.1,186.43 277.1,185.53 269.85,185.53 ; 273.75,174.93 273.75,185.13 274,185.13 274,185.33 277,185.33 277,174.93 273.75,174.93 ; 276.35,98.93 276.35,109.93 287.35,109.93 287.35,98.93 276.35,98.93 ; 276.6,88.93 276.6,98.43 289.85,98.43 289.85,88.93 276.6,88.93 ; 277.3,175.13 277.354,185.37 278.85,185.373 278.85,186.233 282.359,186.23 282.4,181.63 282.4,175.967 284.8,173.868 284.8,171.43 282.8,169.43 280.5,169.43 280.5,171.13 279.4,171.13 279.4,175.13 277.3,175.13 ; 278.35,136.93 285.6,136.93 288.85,140.644 288.85,146.93 278.35,146.93 278.35,136.93 ; 279.6,164.48 296.05,164.48 296.05,186.48 299.8,186.48 299.8,190.73 290.95,190.73 291.002,178.23 287.2,178.23 287.2,177.13 287.253,169.23 285.129,169.23 284.329,168.53 282.944,168.53 282.5,168.13 282.5,167.705 279.6,167.68 279.6,164.48 ; 282.55,220.98 282.599,200.93 288.1,200.93 288.1,198.094 289.55,198.23 289.55,202.73 298.05,202.73 298.1,216.93 299.35,218.18 312.55,218.23 312.6,181.68 309.35,181.68 309.35,180.93 303.6,180.93 303.6,183.68 300.85,183.68 300.85,180.68 301.1,180.68 301.1,157.935 313.8,157.98 313.8,157.78 345.835,157.78 346.145,217.23 322.8,217.23 322.8,220.98 282.55,220.98 ; 287.55,121.73 287.55,131.23 292.6,131.18 292.6,134.18 294.6,136.68 303.1,136.68 303.1,127.68 301.35,127.68 301.35,134.68 294.35,134.68 294.35,121.678 287.55,121.73 ; 287.6,98.93 287.6,121.43 299.55,121.43 299.55,98.93 287.6,98.93 ; 290.6,78.43 290.6,98.43 322.6,98.43 322.6,72.93 313.6,72.93 313.6,78.43 290.6,78.43 ; 294.6,121.68 294.6,134.43 301.1,134.43 301.1,127.68 299.6,127.68 299.6,121.68 294.6,121.68 ; 298.35,202.68 298.35,210.93 310.1,210.93 310.1,185.18 306.6,185.18 306.6,181.18 303.85,181.18 303.85,194.43 304.6,194.43 304.6,202.68 298.35,202.68 ; 298.35,211.18 298.35,216.93 299.35,217.93 312.35,217.93 312.35,181.93 309.1,181.93 309.1,181.18 306.85,181.18 306.85,184.93 310.35,184.93 310.35,211.18 298.35,211.18 ; 299.85,98.93 322.717,98.93 322.345,116.43 313.853,116.43 313.8,111.43 309.348,111.43 309.178,129.43 315.35,129.43 315.35,141.43 310.35,141.43 310.35,138.93 303.35,138.93 303.35,127.43 299.85,127.43 299.85,98.93 ; 309.35,111.68 309.35,128.93 315.6,128.93 315.6,151.939 322.6,151.98 322.6,116.68 313.6,116.68 313.6,111.68 309.35,111.68

## Silkscreen, mask and mechanical layers (free items; w line width, h text height)
Top Overlay:
  lines w0.1: 590.771,84.679 591.896,84.679 ; 591.321,84.079 591.321,85.304
  text "P4 LED" at 605.746,219.104 h1
  text "MASTER" at 506.627,81.553 h1 r180
Bottom Overlay:
  text "P3 LED" at 615.946,220.079 h1
  text "P2 LED" at 604.771,85.804 h1
Bottom Solder:
  region: 602.321,227.629 483.821,227.629 483.821,226.129 602.321,226.129
  region: 484.321,227.629 454.321,227.629 454.321,226.129 484.321,226.129
Mechanical 1:
  lines w0.05: 452.771,152.429 452.771,152.379 ; 453.371,226.167 453.371,227.879 608.971,227.879 608.971,226.879 616.571,226.879 616.571,222.679 622.571,222.679 622.571,218.919 620.571,218.919 620.571,148.994 620.571,148.669 620.571,85.454 622.571,85.454 622.571,80.479 608.211,80.479 608.211,80.979 599.971,80.979 599.971,79.379 453.271,79.379 cw(c453.271,79.879) 452.771,79.879 452.771,82.629 ccw(c451.771,82.629) 451.771,83.629 442.571,83.629 441.971,84.229 441.971,148.029 ; 453.371,226.183 453.355,226.167 451.08,226.167 451.08,223.567 449.271,223.567 449.271,164.529 451.971,164.529 452.071,164.529 452.771,163.829 452.771,152.379 ; 441.971,148.029 442.571,148.629 451.771,148.629 ccw(c451.771,149.629) 452.771,149.629 452.771,152.379 ; 441.971,148.029 441.971,148.029
  lines w0.127: 477.658,101.856 477.76,101.729 477.877,101.653 478.029,101.627 478.182,101.678 478.301,101.78 478.385,101.958 478.403,102.161 478.37,102.364 478.283,102.491 478.166,102.593 478.047,102.618 477.928,102.593 477.775,102.491 477.826,103.151 478.283,103.151 ; 480.295,101.627 480.701,101.627 ; 480.295,102.847 480.498,103.151 480.498,101.627 ; 508.133,206.314 509.134,206.314 ; 515.959,196.364 516.365,196.364 ; 515.959,197.584 516.162,197.888 516.162,196.364 ; 544.904,220.395 547.236,220.395 ; 546.705,222.034 547.155,222.034 ; 548.755,222.034 550.754,221.533 ; 476.711,102.44 476.559,102.364 476.457,102.212 476.424,102.034 476.457,101.856 476.541,101.729 476.678,101.653 476.797,101.627 476.914,101.653 477.051,101.729 477.135,101.856 477.168,102.034 477.135,102.212 477.033,102.364 476.881,102.44 ; 476.711,102.44 476.881,102.44 ; 476.711,102.44 476.609,102.491 476.525,102.618 476.492,102.796 476.541,102.974 476.66,103.101 476.797,103.151 476.932,103.101 477.051,102.974 477.1,102.796 477.067,102.618 476.983,102.491 476.881,102.44 ; 476.711,102.44 476.881,102.44 ; 547.147,220.532 547.182,220.667 ; 547.147,220.532 547.134,220.395 547.147,220.532 ; 547.147,220.532 547.182,220.667 ; 547.155,222.034 545.156,222.534 545.156,221.533 547.155,222.034 ; 547.182,220.667 547.241,220.794 ; 547.182,220.667 547.241,220.794 ; 547.241,220.794 547.322,220.908 ; 547.241,220.794 547.322,220.908 ; 547.322,220.908 547.421,221.007 ; 547.322,220.908 547.421,221.007 ; 547.421,221.007 547.536,221.086 ; 547.421,221.007 547.536,221.086 ; 547.536,221.086 547.663,221.147 ; 547.536,221.086 547.663,221.147 ; 547.663,221.147 547.795,221.183 ; 547.663,221.147 547.795,221.183 ; 547.795,221.183 547.934,221.195 ; 547.795,221.183 547.934,221.195 ; 547.934,221.195 548.074,221.183 ; 547.934,221.195 548.074,221.183 ; 548.074,221.183 548.209,221.147 ; 548.074,221.183 548.209,221.147 ; 548.209,221.147 548.336,221.086 ; 548.209,221.147 548.336,221.086 ; 548.336,221.086 548.45,221.007 ; 548.336,221.086 548.45,221.007 ; 548.45,221.007 548.546,220.908 ; 548.45,221.007 548.546,220.908 ; 548.546,220.908 548.628,220.794 ; 548.546,220.908 548.628,220.794 ; 548.628,220.794 548.686,220.667 ; 548.628,220.794 548.686,220.667 ; 548.686,220.667 548.722,220.532 ; 548.686,220.667 548.722,220.532 ; 548.722,220.532 548.734,220.395 548.722,220.532 ; 479.231,101.602 479.231,101.653 479.264,101.678 479.299,101.653 479.299,101.602 479.264,101.577 479.231,101.602 ; 491.936,117.845 491.936,122.097 491.936,117.845 ; 590.195,171.093 592.194,171.594 592.194,170.593 590.195,171.093 ; 590.195,181.042 592.194,181.543 592.194,180.545 590.195,181.042
User Layer 19:
  lines w0.1: 190.4,98.48 190.4,103.23 208.05,103.23 208.05,105.98 ; 209.3,105.98 209.3,125.23 ; 210.55,99.98 210.55,125.23 ; 551.52,160.582 552.77,160.582 ; 553.137,224.584 554.387,224.584 ; 580.461,204.138 581.961,202.638 581.961,183.988
RTM_template:
  drawing of 20734 lines, arcs and shapes, not listed
  text "J6" at 585.635,387.411 h1.2 r270
RTM_CON:
  drawing of 18272 lines, arcs and shapes, not listed
  text "D" at 174.2,225.48 h0.8
  text "B" at 176.2,225.48 h0.8
  text "C" at 174.2,221.58 h0.8
  text "A" at 176.2,221.58 h0.8
Logo:
  drawing of 2015 lines, arcs and shapes, not listed